# Altium PCB Slave.PcbDoc (part 2 of 10)
Units mm, origin at the board's own origin, x right, y up, seen from the top; angles counter-clockwise.
Board outline 380 x 63 mm, 4 copper layers (Top Copper, Signal Layer 1, Signal Layer 2, Bottom Copper), stack 1.586 mm thick; 259 components, 195 nets, 816 pads, 23336 vias.
Unrouted connection lines stored in the file: 47.
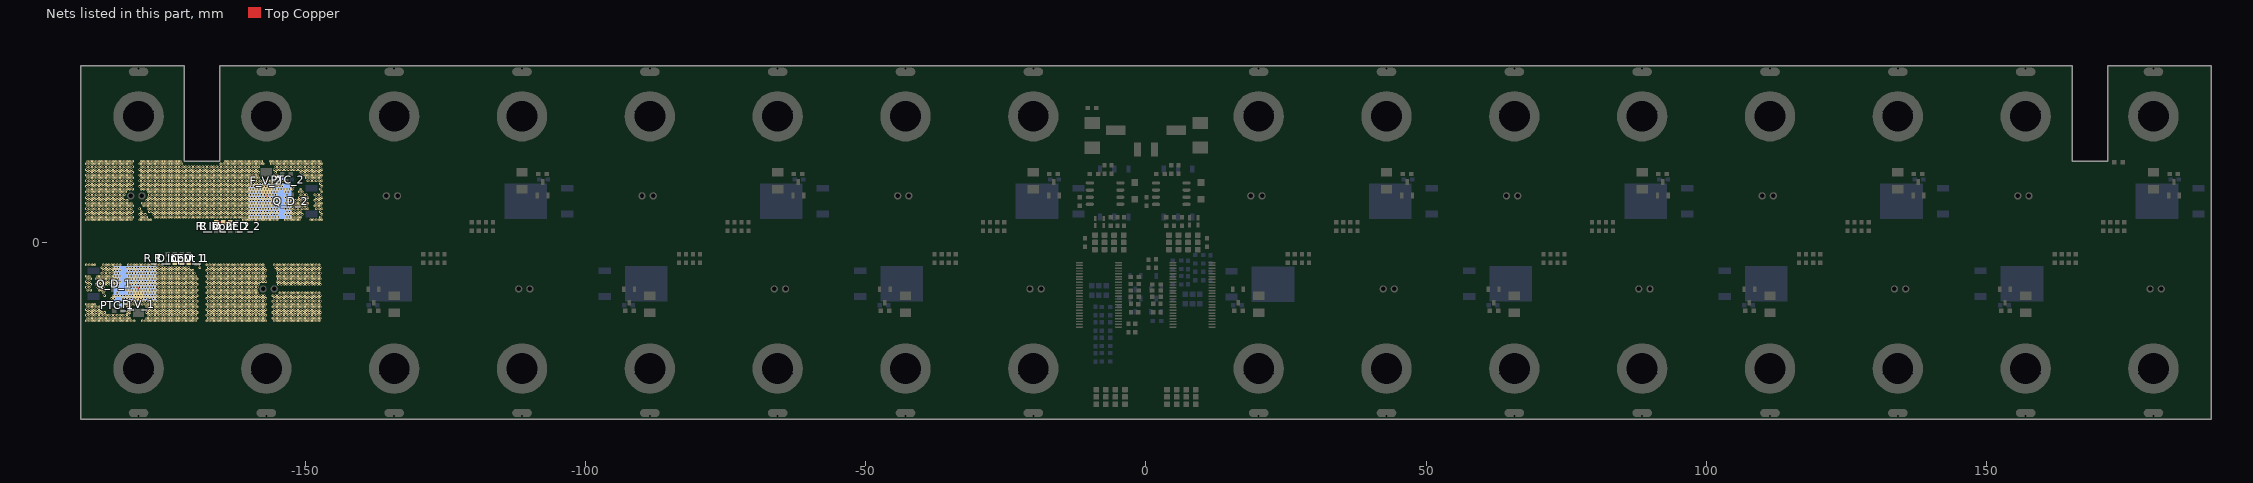
[diagram p4: the nets of this part, all layers, seen from the top]

## Via types
v1: diameter 0.45, hole 0.2, Top Copper to Bottom Copper, tented both sides, 23076 vias
v2: diameter 0.45, hole 0.2, Top Copper to Bottom Copper, 250 vias
v3: diameter 1.2, hole 0.8, Top Copper to Bottom Copper, 10 vias

## Nets (pads, with @x,y where several pads share a name; then routed paths per layer and width w, separated by ;. In a path a pad name is that pad's centre, name@x,y a point inside that pad or via, vN(x,y) a via of type N, cw(c..) or ccw(c..) an arc to the next point about the centre after c; other vN are vias at no path point) (continued)
F_1: C_V_1.2 F_V_1.2 PTC_1.2 Q_D_1.2 R_D_LED_1.2 R_Input_1.1 | length 3.9
  Top Copper w0.254: R_D_LED_1.2@-173.25,-3.6 R_Input_1.1@-172,-3.6 C_V_1.2@-170.75,-3.6
  Top Copper w0.305: -179.725,-8.1 -179.725,-9.48 F_V_1.2@-179.7,-9.505
  other v1: -189,-14 -188.5,-14 -188,-14 -187.5,-14 -187,-14 -186.5,-14 -186,-14 -185.5,-14 -185,-14 -184.5,-14 -184,-14 -183.5,-14 -183,-14 -182.5,-14 -182,-14 -181.5,-14 -181,-14 -180.5,-14 -179,-14 -178.5,-14 -178,-14 -177.5,-14 -177,-14 -176.5,-14 -176,-14 -175.5,-14 -175,-14 -174.5,-14 -174,-14 -173.5,-14 -173,-14 -172.5,-14 -172,-14 -171.5,-14 -171,-14 -170.5,-14 -170,-14 -169.5,-14 -167.5,-14 -167,-14 -166.5,-14 -166,-14 -165.5,-14 -165,-14 -164.5,-14 -164,-14 -163.5,-14 -163,-14 -162.5,-14 -162,-14 -161.5,-14 -161,-14 -160.5,-14 -160,-14 -159.5,-14 -159,-14 -158.5,-14 -158,-14 -157.5,-14 -157,-14 -155.5,-14 -155,-14 -154.5,-14 -154,-14 -153.5,-14 -153,-14 -152.5,-14 -152,-14 -151.5,-14 -151,-14 -150.5,-14 -150,-14 -149.5,-14 -149,-14 -148.5,-14 -148,-14 -147.5,-14 -188.75,-13.5 -188.25,-13.5 -187.75,-13.5 -187.25,-13.5 -186.75,-13.5 -186.25,-13.5 -185.75,-13.5 -185.25,-13.5 -184.75,-13.5 -184.25,-13.5 -183.75,-13.5 -183.25,-13.5 -182.75,-13.5 -182.25,-13.5 -181.75,-13.5 -181.25,-13.5 -178.25,-13.5 -177.75,-13.5 -177.25,-13.5 -176.75,-13.5 -176.25,-13.5 -175.75,-13.5 -175.25,-13.5 -174.75,-13.5 -174.25,-13.5 -173.75,-13.5 -173.25,-13.5 -172.75,-13.5 -172.25,-13.5 -171.75,-13.5 -171.25,-13.5 -170.75,-13.5 -170.25,-13.5 -169.75,-13.5 -169.25,-13.5 -167.25,-13.5 -166.75,-13.5 -166.25,-13.5 -165.75,-13.5 -165.25,-13.5 -164.75,-13.5 -164.25,-13.5 -163.75,-13.5 -163.25,-13.5 -162.75,-13.5 -162.25,-13.5 -161.75,-13.5 -161.25,-13.5 -160.75,-13.5 -160.25,-13.5 -159.75,-13.5 -159.25,-13.5 -158.75,-13.5 -158.25,-13.5 -157.75,-13.5 -157.25,-13.5 -155.75,-13.5 -155.25,-13.5 -154.75,-13.5 -154.25,-13.5 -153.75,-13.5 -153.25,-13.5 -152.75,-13.5 -152.25,-13.5 -151.75,-13.5 -151.25,-13.5 -150.75,-13.5 -150.25,-13.5 -149.75,-13.5 -149.25,-13.5 -148.75,-13.5 -148.25,-13.5 -147.75,-13.5 -147.25,-13.5 -189,-13 -188.5,-13 -188,-13 -187.5,-13 -187,-13 -186.5,-13 -186,-13 -185.5,-13 -185,-13 -184.5,-13 -184,-13 -183.5,-13 -183,-13 -182.5,-13 -182,-13 -181.5,-13 -178,-13 -177.5,-13 -177,-13 -176.5,-13 -176,-13 -175.5,-13 -175,-13 -174.5,-13 -174,-13 -173.5,-13 -173,-13 -172.5,-13 -172,-13 -171.5,-13 -171,-13 -170.5,-13 -170,-13 -169.5,-13 -167.5,-13 -167,-13 -166.5,-13 -166,-13 -165.5,-13 -165,-13 -164.5,-13 -164,-13 -163.5,-13 -163,-13 -162.5,-13 -162,-13 -161.5,-13 -161,-13 -160.5,-13 -160,-13 -159.5,-13 -159,-13 -158.5,-13 -158,-13 -157.5,-13 -157,-13 -155.5,-13 -155,-13 -154.5,-13 -154,-13 -153.5,-13 -153,-13 -152.5,-13 -152,-13 -151.5,-13 -151,-13 -150.5,-13 -150,-13 -149.5,-13 -149,-13 -148.5,-13 -148,-13 -147.5,-13 -188.75,-12.5 -188.25,-12.5 -187.75,-12.5 -187.25,-12.5 -186.75,-12.5 -186.25,-12.5 -185.75,-12.5 -181.75,-12.5 -181.25,-12.5 -178.25,-12.5 -177.75,-12.5 -177.25,-12.5 -176.75,-12.5 -176.25,-12.5 -175.75,-12.5 -175.25,-12.5 -174.75,-12.5 -174.25,-12.5 -173.75,-12.5 -173.25,-12.5 -172.75,-12.5 -172.25,-12.5 -171.75,-12.5 -171.25,-12.5 -170.75,-12.5 -170.25,-12.5 -169.75,-12.5 -169.25,-12.5 -167.25,-12.5 -166.75,-12.5 -166.25,-12.5 -165.75,-12.5 -165.25,-12.5 -164.75,-12.5 -164.25,-12.5 -163.75,-12.5 -163.25,-12.5 -162.75,-12.5 -162.25,-12.5 -161.75,-12.5 -161.25,-12.5 -160.75,-12.5 -160.25,-12.5 -159.75,-12.5 -159.25,-12.5 -158.75,-12.5 -158.25,-12.5 -157.75,-12.5 -157.25,-12.5 -155.75,-12.5 -155.25,-12.5 -154.75,-12.5 -154.25,-12.5 -153.75,-12.5 -153.25,-12.5 -152.75,-12.5 -152.25,-12.5 -151.75,-12.5 -151.25,-12.5 -150.75,-12.5 -150.25,-12.5 -149.75,-12.5 -149.25,-12.5 -148.75,-12.5 -148.25,-12.5 -147.75,-12.5 -147.25,-12.5 -189,-12 -188.5,-12 -188,-12 -187.5,-12 -187,-12 -186.5,-12 -181.5,-12 -178,-12 -177.5,-12 -177,-12 -176.5,-12 -176,-12 -175.5,-12 -175,-12 -174.5,-12 -174,-12 -173.5,-12 -173,-12 -172.5,-12 -172,-12 -171.5,-12 -171,-12 -170.5,-12 -170,-12 -169.5,-12 -167.5,-12 -167,-12 -166.5,-12 -166,-12 -165.5,-12 -165,-12 -164.5,-12 -164,-12 -163.5,-12 -163,-12 -162.5,-12 -162,-12 -161.5,-12 -161,-12 -160.5,-12 -160,-12 -159.5,-12 -159,-12 -158.5,-12 -158,-12 -157.5,-12 -157,-12 -155.5,-12 -155,-12 -154.5,-12 -154,-12 -153.5,-12 -153,-12 -152.5,-12 -152,-12 -151.5,-12 -151,-12 -150.5,-12 -150,-12 -149.5,-12 -149,-12 -148.5,-12 -148,-12 -147.5,-12 -188.75,-11.5 -188.25,-11.5 -187.75,-11.5 -187.25,-11.5 -186.75,-11.5 -181.75,-11.5 -181.25,-11.5 -178.25,-11.5 -177.75,-11.5 -177.25,-11.5 -176.75,-11.5 -176.25,-11.5 -175.75,-11.5 -175.25,-11.5 -174.75,-11.5 -174.25,-11.5 -173.75,-11.5 -173.25,-11.5 -172.75,-11.5 -172.25,-11.5 -171.75,-11.5 -171.25,-11.5 -170.75,-11.5 -170.25,-11.5 -169.75,-11.5 -169.25,-11.5 -167.25,-11.5 -166.75,-11.5 -166.25,-11.5 -165.75,-11.5 -165.25,-11.5 -164.75,-11.5 -164.25,-11.5 -163.75,-11.5 -163.25,-11.5 -162.75,-11.5 -162.25,-11.5 -161.75,-11.5 -161.25,-11.5 -160.75,-11.5 -160.25,-11.5 -159.75,-11.5 -159.25,-11.5 -158.75,-11.5 -158.25,-11.5 -157.75,-11.5 -157.25,-11.5 -155.75,-11.5 -155.25,-11.5 -154.75,-11.5 -154.25,-11.5 -153.75,-11.5 -153.25,-11.5 -152.75,-11.5 -152.25,-11.5 -151.75,-11.5 -151.25,-11.5 -150.75,-11.5 -150.25,-11.5 -149.75,-11.5 -149.25,-11.5 -148.75,-11.5 -148.25,-11.5 -147.75,-11.5 -147.25,-11.5 -189,-11 -188.5,-11 -188,-11 -187.5,-11 -182.5,-11 -182,-11 -181.5,-11 -181,-11 -180.5,-11 -180,-11 -179.5,-11 -179,-11 -178.5,-11 -178,-11 -177.5,-11 -177,-11 -176.5,-11 -176,-11 -175.5,-11 -175,-11 -174.5,-11 -174,-11 -173.5,-11 -173,-11 -172.5,-11 -172,-11 -171.5,-11 -171,-11 -170.5,-11 -170,-11 -169.5,-11 -167.5,-11 -167,-11 -166.5,-11 -166,-11 -165.5,-11 -165,-11 -164.5,-11 -164,-11 -163.5,-11 -163,-11 -162.5,-11 -162,-11 -161.5,-11 -161,-11 -160.5,-11 -160,-11 -159.5,-11 -159,-11 -158.5,-11 -158,-11 -157.5,-11 -157,-11 -155.5,-11 -155,-11 -154.5,-11 -154,-11 -153.5,-11 -153,-11 -152.5,-11 -152,-11 -151.5,-11 -151,-11 -150.5,-11 -150,-11 -149.5,-11 -149,-11 -148.5,-11 -148,-11 -147.5,-11 -182.25,-10.5 -181.75,-10.5 -181.25,-10.5 -180.75,-10.5 -180.25,-10.5 -179.75,-10.5 -179.25,-10.5 -178.75,-10.5 -178.25,-10.5 -177.75,-10.5 -177.25,-10.5 -176.75,-10.5 -176.25,-10.5 -175.75,-10.5 -175.25,-10.5 -174.75,-10.5 -174.25,-10.5 -173.75,-10.5 -173.25,-10.5 -172.75,-10.5 -172.25,-10.5 -171.75,-10.5 -171.25,-10.5 -170.75,-10.5 -170.25,-10.5 -169.75,-10.5 -169.25,-10.5 -167.25,-10.5 -166.75,-10.5 -166.25,-10.5 -165.75,-10.5 -165.25,-10.5 -164.75,-10.5 -164.25,-10.5 -163.75,-10.5 -163.25,-10.5 -162.75,-10.5 -162.25,-10.5 -161.75,-10.5 -161.25,-10.5 -160.75,-10.5 -160.25,-10.5 -159.75,-10.5 -159.25,-10.5 -158.75,-10.5 -158.25,-10.5 -157.75,-10.5 -157.25,-10.5 -155.75,-10.5 -155.25,-10.5 -154.75,-10.5 -154.25,-10.5 -153.75,-10.5 -153.25,-10.5 -152.75,-10.5 -152.25,-10.5 -151.75,-10.5 -151.25,-10.5 -150.75,-10.5 -150.25,-10.5 -149.75,-10.5 -149.25,-10.5 -148.75,-10.5 -148.25,-10.5 -147.75,-10.5 -147.25,-10.5 -184.5,-10 -184,-10 -182.5,-10 -182,-10 -181.5,-10 -181,-10 -180.5,-10 -180,-10 -179.5,-10 -179,-10 -178.5,-10 -178,-10 -177.5,-10 -177,-10 -176.5,-10 -176,-10 -175.5,-10 -175,-10 -174.5,-10 -174,-10 -173.5,-10 -173,-10 -172.5,-10 -172,-10 -171.5,-10 -171,-10 -170.5,-10 -170,-10 -169.5,-10 -167.5,-10 -167,-10 -166.5,-10 -166,-10 -165.5,-10 -165,-10 -164.5,-10 -164,-10 -163.5,-10 -163,-10 -162.5,-10 -162,-10 -161.5,-10 -161,-10 -160.5,-10 -160,-10 -159.5,-10 -159,-10 -158.5,-10 -158,-10 -157.5,-10 -157,-10 -155.5,-10 -155,-10 -154.5,-10 -154,-10 -153.5,-10 -153,-10 -152.5,-10 -152,-10 -151.5,-10 -151,-10 -150.5,-10 -150,-10 -149.5,-10 -149,-10 -148.5,-10 -148,-10 -147.5,-10 -185.75,-9.5 -184.25,-9.5 -183.75,-9.5 -183.25,-9.5 -182.75,-9.5 -182.25,-9.5 -181.75,-9.5 -181.25,-9.5 -180.75,-9.5 -180.25,-9.5 -179.75,-9.5 -179.25,-9.5 -178.75,-9.5 -178.25,-9.5 -177.75,-9.5 -177.25,-9.5 -176.75,-9.5 -176.25,-9.5 -175.75,-9.5 -175.25,-9.5 -174.75,-9.5 -174.25,-9.5 -173.75,-9.5 -173.25,-9.5 -172.75,-9.5 -172.25,-9.5 -171.75,-9.5 -171.25,-9.5 -170.75,-9.5 -170.25,-9.5 -169.75,-9.5 -169.25,-9.5 -167.25,-9.5 -166.75,-9.5 -166.25,-9.5 -165.75,-9.5 -165.25,-9.5 -164.75,-9.5 -164.25,-9.5 -163.75,-9.5 -163.25,-9.5 -162.75,-9.5 -162.25,-9.5 -161.75,-9.5 -161.25,-9.5 -160.75,-9.5 -160.25,-9.5 -159.75,-9.5 -159.25,-9.5 -158.75,-9.5 -158.25,-9.5 -157.75,-9.5 -157.25,-9.5 -155.75,-9.5 -155.25,-9.5 -154.75,-9.5 -154.25,-9.5 -153.75,-9.5 -153.25,-9.5 -152.75,-9.5 -152.25,-9.5 -151.75,-9.5 -151.25,-9.5 -150.75,-9.5 -150.25,-9.5 -149.75,-9.5 -149.25,-9.5 -148.75,-9.5 -148.25,-9.5 -147.75,-9.5 -147.25,-9.5 -186,-9 -183.5,-9 -181.5,-9 -181,-9 -180.5,-9 -180,-9 -179.5,-9 -179,-9 -178.5,-9 -178,-9 -177.5,-9 -177,-9 -176.5,-9 -176,-9 -175.5,-9 -175,-9 -174.5,-9 -174,-9 -173.5,-9 -173,-9 -172.5,-9 -172,-9 -171.5,-9 -171,-9 -170.5,-9 -170,-9 -169.5,-9 -167.5,-9 -167,-9 -166.5,-9 -166,-9 -165.5,-9 -165,-9 -164.5,-9 -164,-9 -163.5,-9 -163,-9 -162.5,-9 -162,-9 -161.5,-9 -161,-9 -160.5,-9 -160,-9 -159.5,-9 -159,-9 -158.5,-9 -154.5,-9 -154,-9 -153.5,-9 -153,-9 -152.5,-9 -152,-9 -151.5,-9 -151,-9 -150.5,-9 -150,-9 -149.5,-9 -149,-9 -148.5,-9 -148,-9 -147.5,-9 -188.75,-8.5 -188.25,-8.5 -186.75,-8.5 -186.25,-8.5 -185.75,-8.5 -183.25,-8.5 -181.75,-8.5 -181.25,-8.5 -180.75,-8.5 -180.25,-8.5 -179.75,-8.5 -179.25,-8.5 -178.75,-8.5 -178.25,-8.5 -177.75,-8.5 -177.25,-8.5 -176.75,-8.5 -176.25,-8.5 -175.75,-8.5 -175.25,-8.5 -174.75,-8.5 -174.25,-8.5 -173.75,-8.5 -173.25,-8.5 -172.75,-8.5 -172.25,-8.5 -171.75,-8.5 -171.25,-8.5 -170.75,-8.5 -170.25,-8.5 -169.75,-8.5 -169.25,-8.5 -167.25,-8.5 -166.75,-8.5 -166.25,-8.5 -165.75,-8.5 -165.25,-8.5 -164.75,-8.5 -164.25,-8.5 -163.75,-8.5 -163.25,-8.5 -162.75,-8.5 -162.25,-8.5 -161.75,-8.5 -161.25,-8.5 -160.75,-8.5 -160.25,-8.5 -159.75,-8.5 -159.25,-8.5 -158.75,-8.5 -189,-8 -188.5,-8 -187,-8 -186.5,-8 -186,-8 -183.5,-8 -181.5,-8 -181,-8 -180.5,-8 -180,-8 -179.5,-8 -179,-8 -178.5,-8 -178,-8 -177.5,-8 -177,-8 -176.5,-8 -176,-8 -175.5,-8 -175,-8 -174.5,-8 -174,-8 -173.5,-8 -173,-8 -172.5,-8 -172,-8 -171.5,-8 -171,-8 -170.5,-8 -170,-8 -169.5,-8 -167.5,-8 -167,-8 -166.5,-8 -166,-8 -165.5,-8 -165,-8 -164.5,-8 -164,-8 -163.5,-8 -163,-8 -162.5,-8 -162,-8 -161.5,-8 -161,-8 -160.5,-8 -160,-8 -159.5,-8 -159,-8 -158.5,-8 -188.75,-7.5 -188.25,-7.5 -187.25,-7.5 -186.75,-7.5 -186.25,-7.5 -185.75,-7.5 -185.25,-7.5 -184.75,-7.5 -184.25,-7.5 -183.75,-7.5 -183.25,-7.5 -181.75,-7.5 -181.25,-7.5 -180.75,-7.5 -180.25,-7.5 -179.75,-7.5 -179.25,-7.5 -178.75,-7.5 -178.25,-7.5 -177.75,-7.5 -177.25,-7.5 -176.75,-7.5 -176.25,-7.5 -175.75,-7.5 -175.25,-7.5 -174.75,-7.5 -174.25,-7.5 -173.75,-7.5 -173.25,-7.5 -172.75,-7.5 -172.25,-7.5 -171.75,-7.5 -171.25,-7.5 -170.75,-7.5 -170.25,-7.5 -169.75,-7.5 -169.25,-7.5 -167.25,-7.5 -166.75,-7.5 -166.25,-7.5 -165.75,-7.5 -165.25,-7.5 -164.75,-7.5 -164.25,-7.5 -163.75,-7.5 -163.25,-7.5 -162.75,-7.5 -162.25,-7.5 -161.75,-7.5 -161.25,-7.5 -160.75,-7.5 -160.25,-7.5 -159.75,-7.5 -159.25,-7.5 -158.75,-7.5 -158.25,-7.5 -154.75,-7.5 -154.25,-7.5 -153.75,-7.5 -153.25,-7.5 -152.75,-7.5 -152.25,-7.5 -151.75,-7.5 -151.25,-7.5 -150.75,-7.5 -150.25,-7.5 -149.75,-7.5 -149.25,-7.5 -148.75,-7.5 -148.25,-7.5 -147.75,-7.5 -147.25,-7.5 -189,-7 -188.5,-7 -187,-7 -186.5,-7 -186,-7 -185.5,-7 -185,-7 -184.5,-7 -184,-7 -183.5,-7 -183,-7 -181.5,-7 -181,-7 -180.5,-7 -180,-7 -179.5,-7 -179,-7 -178.5,-7 -178,-7 -177.5,-7 -177,-7 -176.5,-7 -176,-7 -175.5,-7 -175,-7 -174.5,-7 -174,-7 -173.5,-7 -173,-7 -172.5,-7 -172,-7 -171.5,-7 -171,-7 -170.5,-7 -170,-7 -169.5,-7 -167.5,-7 -167,-7 -166.5,-7 -166,-7 -165.5,-7 -165,-7 -164.5,-7 -164,-7 -163.5,-7 -163,-7 -162.5,-7 -162,-7 -161.5,-7 -161,-7 -160.5,-7 -160,-7 -159.5,-7 -159,-7 -158.5,-7 -158,-7 -157.5,-7 -157,-7 -155,-7 -154.5,-7 -154,-7 -153.5,-7 -153,-7 -152.5,-7 -152,-7 -151.5,-7 -151,-7 -150.5,-7 -150,-7 -149.5,-7 -149,-7 -148.5,-7 -148,-7 -147.5,-7 -188.75,-6.5 -188.25,-6.5 -187.25,-6.5 -186.75,-6.5 -186.25,-6.5 -185.75,-6.5 -185.25,-6.5 -184.75,-6.5 -184.25,-6.5 -183.75,-6.5 -183.25,-6.5 -181.75,-6.5 -181.25,-6.5 -180.75,-6.5 -180.25,-6.5 -179.75,-6.5 -179.25,-6.5 -178.75,-6.5 -178.25,-6.5 -177.75,-6.5 -177.25,-6.5 -176.75,-6.5 -176.25,-6.5 -175.75,-6.5 -175.25,-6.5 -174.75,-6.5 -174.25,-6.5 -173.75,-6.5 -173.25,-6.5 -172.75,-6.5 -172.25,-6.5 -171.75,-6.5 -171.25,-6.5 -170.75,-6.5 -170.25,-6.5 -169.75,-6.5 -169.25,-6.5 -167.25,-6.5 -166.75,-6.5 -166.25,-6.5 -165.75,-6.5 -165.25,-6.5 -164.75,-6.5 -164.25,-6.5 -163.75,-6.5 -163.25,-6.5 -162.75,-6.5 -162.25,-6.5 -161.75,-6.5 -161.25,-6.5 -160.75,-6.5 -160.25,-6.5 -159.75,-6.5 -159.25,-6.5 -158.75,-6.5 -158.25,-6.5 -157.75,-6.5 -157.25,-6.5 -154.75,-6.5 -154.25,-6.5 -153.75,-6.5 -153.25,-6.5 -152.75,-6.5 -152.25,-6.5 -151.75,-6.5 -151.25,-6.5 -150.75,-6.5 -150.25,-6.5 -149.75,-6.5 -149.25,-6.5 -148.75,-6.5 -148.25,-6.5 -147.75,-6.5 -147.25,-6.5 -189,-6 -188.5,-6 -187,-6 -186.5,-6 -186,-6 -185.5,-6 -185,-6 -184.5,-6 -184,-6 -183.5,-6 -183,-6 -181.5,-6 -181,-6 -180.5,-6 -180,-6 -179.5,-6 -179,-6 -178.5,-6 -178,-6 -177.5,-6 -177,-6 -176.5,-6 -176,-6 -175.5,-6 -175,-6 -174.5,-6 -174,-6 -173.5,-6 -173,-6 -172.5,-6 -172,-6 -171.5,-6 -171,-6 -170.5,-6 -170,-6 -169.5,-6 -167.5,-6 -167,-6 -166.5,-6 -166,-6 -165.5,-6 -165,-6 -164.5,-6 -164,-6 -163.5,-6 -163,-6 -162.5,-6 -162,-6 -161.5,-6 -161,-6 -160.5,-6 -160,-6 -159.5,-6 -159,-6 -158.5,-6 -158,-6 -157.5,-6 -157,-6 -155,-6 -154.5,-6 -154,-6 -153.5,-6 -153,-6 -152.5,-6 -152,-6 -151.5,-6 -151,-6 -150.5,-6 -150,-6 -149.5,-6 -149,-6 -148.5,-6 -148,-6 -147.5,-6 -186.25,-5.5 -185.75,-5.5 -185.25,-5.5 -184.75,-5.5 -184.25,-5.5 -183.75,-5.5 -183.25,-5.5 -181.75,-5.5 -181.25,-5.5 -180.75,-5.5 -180.25,-5.5 -179.75,-5.5 -179.25,-5.5 -178.75,-5.5 -178.25,-5.5 -177.75,-5.5 -177.25,-5.5 -176.75,-5.5 -176.25,-5.5 -175.75,-5.5 -175.25,-5.5 -174.75,-5.5 -174.25,-5.5 -173.75,-5.5 -173.25,-5.5 -172.75,-5.5 -172.25,-5.5 -171.75,-5.5 -171.25,-5.5 -170.75,-5.5 -170.25,-5.5 -169.75,-5.5 -167.25,-5.5 -166.75,-5.5 -166.25,-5.5 -165.75,-5.5 -165.25,-5.5 -164.75,-5.5 -164.25,-5.5 -163.75,-5.5 -163.25,-5.5 -162.75,-5.5 -162.25,-5.5 -161.75,-5.5 -161.25,-5.5 -160.75,-5.5 -160.25,-5.5 -159.75,-5.5 -159.25,-5.5 -158.75,-5.5 -158.25,-5.5 -157.75,-5.5 -157.25,-5.5 -154.75,-5.5 -154.25,-5.5 -153.75,-5.5 -153.25,-5.5 -152.75,-5.5 -152.25,-5.5 -151.75,-5.5 -151.25,-5.5 -150.75,-5.5 -150.25,-5.5 -149.75,-5.5 -149.25,-5.5 -148.75,-5.5 -148.25,-5.5 -147.75,-5.5 -147.25,-5.5 -186,-5 -185.5,-5 -185,-5 -184.5,-5 -184,-5 -183.5,-5 -183,-5 -181.5,-5 -181,-5 -180.5,-5 -180,-5 -179.5,-5 -179,-5 -178.5,-5 -178,-5 -177.5,-5 -177,-5 -176.5,-5 -176,-5 -175.5,-5 -175,-5 -174.5,-5 -174,-5 -173.5,-5 -173,-5 -172.5,-5 -172,-5 -171.5,-5 -171,-5 -170.5,-5 -170,-5 -167.5,-5 -167,-5 -166.5,-5 -166,-5 -165.5,-5 -165,-5 -164.5,-5 -164,-5 -163.5,-5 -163,-5 -162.5,-5 -162,-5 -161.5,-5 -161,-5 -160.5,-5 -160,-5 -159.5,-5 -159,-5 -158.5,-5 -158,-5 -157.5,-5 -157,-5 -155,-5 -154.5,-5 -154,-5 -153.5,-5 -153,-5 -152.5,-5 -152,-5 -151.5,-5 -151,-5 -150.5,-5 -150,-5 -149.5,-5 -149,-5 -148.5,-5 -148,-5 -147.5,-5 -186.25,-4.5 -185.75,-4.5 -185.25,-4.5 -184.75,-4.5 -184.25,-4.5 -183.75,-4.5 -183.25,-4.5 -181.75,-4.5 -181.25,-4.5 -180.75,-4.5 -180.25,-4.5 -179.75,-4.5 -179.25,-4.5 -178.75,-4.5 -178.25,-4.5 -177.75,-4.5 -177.25,-4.5 -176.75,-4.5 -176.25,-4.5 -175.75,-4.5 -175.25,-4.5 -174.75,-4.5 -174.25,-4.5 -173.75,-4.5 -173.25,-4.5 -172.75,-4.5 -172.25,-4.5 -171.75,-4.5 -171.25,-4.5 -170.75,-4.5 -168.75,-4.5 -167.25,-4.5 -166.75,-4.5 -166.25,-4.5 -165.75,-4.5 -165.25,-4.5 -164.75,-4.5 -164.25,-4.5 -163.75,-4.5 -163.25,-4.5 -162.75,-4.5 -162.25,-4.5 -161.75,-4.5 -161.25,-4.5 -160.75,-4.5 -160.25,-4.5 -159.75,-4.5 -159.25,-4.5 -158.75,-4.5 -158.25,-4.5 -157.75,-4.5 -157.25,-4.5 -155.25,-4.5 -154.75,-4.5 -154.25,-4.5 -153.75,-4.5 -153.25,-4.5 -152.75,-4.5 -152.25,-4.5 -151.75,-4.5 -151.25,-4.5 -150.75,-4.5 -150.25,-4.5 -149.75,-4.5 -149.25,-4.5 -148.75,-4.5 -148.25,-4.5 -147.75,-4.5 -147.25,-4.5 -189,-4 -188.5,-4 -188,-4 -187.5,-4 -186,-4 -185.5,-4 -185,-4 -184.5,-4 -184,-4 -183.5,-4 -183,-4 -181.5,-4 -181,-4 -180.5,-4 -180,-4 -179.5,-4 -179,-4 -178.5,-4 -178,-4 -177.5,-4 -177,-4 -176.5,-4 -176,-4 -175.5,-4 -169.5,-4 -169,-4 -167.5,-4 -167,-4 -166.5,-4 -166,-4 -165.5,-4 -165,-4 -164.5,-4 -164,-4 -163.5,-4 -163,-4 -162.5,-4 -162,-4 -161.5,-4 -161,-4 -160.5,-4 -160,-4 -159.5,-4 -159,-4 -158.5,-4 -158,-4 -157.5,-4 -155.5,-4 -155,-4 -154.5,-4 -154,-4 -153.5,-4 -153,-4 -152.5,-4 -152,-4 -151.5,-4 -151,-4 -150.5,-4 -150,-4 -149.5,-4 -149,-4 -148.5,-4 -148,-4 -147.5,-4
F_2: C_V_2.2 F_V_2.2 PTC_2.2 Q_D_2.2 R_D_LED_2.2 R_Input_2.1 | length 3.9
  Top Copper w0.254: C_V_2.2@-165.85,3.6 R_Input_2.1@-164.6,3.6 R_D_LED_2.2@-163.35,3.6
  Top Copper w0.305: v1@-156.875,8.1 F_V_2.2@-156.875,9.48
  other v1: -189,4 -188.5,4 -188,4 -187.5,4 -187,4 -186.5,4 -186,4 -185.5,4 -185,4 -184.5,4 -184,4 -183.5,4 -183,4 -182.5,4 -182,4 -181.5,4 -181,4 -179.5,4 -179,4 -178.5,4 -178,4 -177.5,4 -161,4 -160.5,4 -160,4 -159.5,4 -159,4 -158.5,4 -158,4 -157.5,4 -157,4 -156.5,4 -156,4 -155.5,4 -155,4 -153.5,4 -153,4 -152.5,4 -152,4 -151.5,4 -151,4 -149,4 -148.5,4 -148,4 -147.5,4 -147,4 -188.75,4.5 -188.25,4.5 -187.75,4.5 -187.25,4.5 -186.75,4.5 -186.25,4.5 -185.75,4.5 -185.25,4.5 -184.75,4.5 -184.25,4.5 -183.75,4.5 -183.25,4.5 -182.75,4.5 -182.25,4.5 -181.75,4.5 -181.25,4.5 -180.75,4.5 -179.25,4.5 -178.75,4.5 -178.25,4.5 -176.75,4.5 -176.25,4.5 -175.75,4.5 -175.25,4.5 -174.75,4.5 -174.25,4.5 -173.75,4.5 -173.25,4.5 -172.75,4.5 -172.25,4.5 -171.75,4.5 -171.25,4.5 -170.75,4.5 -170.25,4.5 -169.75,4.5 -169.25,4.5 -168.75,4.5 -168.25,4.5 -167.75,4.5 -167.25,4.5 -166.75,4.5 -166.25,4.5 -165.75,4.5 -165.25,4.5 -164.75,4.5 -164.25,4.5 -163.75,4.5 -163.25,4.5 -162.75,4.5 -162.25,4.5 -161.75,4.5 -161.25,4.5 -160.75,4.5 -160.25,4.5 -159.75,4.5 -159.25,4.5 -158.75,4.5 -158.25,4.5 -157.75,4.5 -157.25,4.5 -156.75,4.5 -156.25,4.5 -155.75,4.5 -155.25,4.5 -154.75,4.5 -153.25,4.5 -152.75,4.5 -152.25,4.5 -151.75,4.5 -151.25,4.5 -150.75,4.5 -147.25,4.5 -189,5 -188.5,5 -188,5 -187.5,5 -187,5 -186.5,5 -186,5 -185.5,5 -185,5 -184.5,5 -184,5 -183.5,5 -183,5 -182.5,5 -182,5 -181.5,5 -181,5 -179.5,5 -179,5 -178.5,5 -177,5 -176.5,5 -176,5 -175.5,5 -175,5 -174.5,5 -174,5 -173.5,5 -173,5 -172.5,5 -172,5 -171.5,5 -171,5 -170.5,5 -170,5 -169.5,5 -169,5 -168.5,5 -168,5 -167.5,5 -167,5 -166.5,5 -166,5 -165.5,5 -165,5 -164.5,5 -164,5 -163.5,5 -163,5 -162.5,5 -162,5 -161.5,5 -161,5 -160.5,5 -160,5 -159.5,5 -159,5 -158.5,5 -158,5 -157.5,5 -157,5 -156.5,5 -156,5 -155.5,5 -155,5 -153.5,5 -153,5 -152.5,5 -152,5 -151.5,5 -151,5 -150.5,5 -147,5 -188.75,5.5 -188.25,5.5 -187.75,5.5 -187.25,5.5 -186.75,5.5 -186.25,5.5 -185.75,5.5 -185.25,5.5 -184.75,5.5 -184.25,5.5 -183.75,5.5 -183.25,5.5 -182.75,5.5 -182.25,5.5 -181.75,5.5 -181.25,5.5 -180.75,5.5 -179.25,5.5 -177.75,5.5 -177.25,5.5 -176.75,5.5 -176.25,5.5 -175.75,5.5 -175.25,5.5 -174.75,5.5 -174.25,5.5 -173.75,5.5 -173.25,5.5 -172.75,5.5 -172.25,5.5 -171.75,5.5 -171.25,5.5 -170.75,5.5 -170.25,5.5 -169.75,5.5 -169.25,5.5 -168.75,5.5 -168.25,5.5 -167.75,5.5 -167.25,5.5 -166.75,5.5 -166.25,5.5 -165.75,5.5 -165.25,5.5 -164.75,5.5 -164.25,5.5 -163.75,5.5 -163.25,5.5 -162.75,5.5 -162.25,5.5 -161.75,5.5 -161.25,5.5 -160.75,5.5 -160.25,5.5 -159.75,5.5 -159.25,5.5 -158.75,5.5 -158.25,5.5 -157.75,5.5 -157.25,5.5 -156.75,5.5 -156.25,5.5 -155.75,5.5 -155.25,5.5 -154.75,5.5 -153.25,5.5 -152.75,5.5 -152.25,5.5 -151.75,5.5 -151.25,5.5 -150.75,5.5 -147.25,5.5 -189,6 -188.5,6 -188,6 -187.5,6 -187,6 -186.5,6 -186,6 -185.5,6 -185,6 -184.5,6 -184,6 -183.5,6 -183,6 -182.5,6 -182,6 -181.5,6 -181,6 -179.5,6 -178,6 -177.5,6 -177,6 -176.5,6 -176,6 -175.5,6 -175,6 -174.5,6 -174,6 -173.5,6 -173,6 -172.5,6 -172,6 -171.5,6 -171,6 -170.5,6 -170,6 -169.5,6 -169,6 -168.5,6 -168,6 -167.5,6 -167,6 -166.5,6 -166,6 -165.5,6 -165,6 -164.5,6 -164,6 -163.5,6 -163,6 -162.5,6 -162,6 -161.5,6 -161,6 -160.5,6 -160,6 -159.5,6 -159,6 -158.5,6 -158,6 -157.5,6 -157,6 -156.5,6 -156,6 -155.5,6 -155,6 -153.5,6 -153,6 -152.5,6 -152,6 -151.5,6 -151,6 -150.5,6 -150,6 -149.5,6 -148,6 -147.5,6 -147,6 -188.75,6.5 -188.25,6.5 -187.75,6.5 -187.25,6.5 -186.75,6.5 -186.25,6.5 -185.75,6.5 -185.25,6.5 -184.75,6.5 -184.25,6.5 -183.75,6.5 -183.25,6.5 -182.75,6.5 -182.25,6.5 -181.75,6.5 -181.25,6.5 -180.75,6.5 -178.75,6.5 -178.25,6.5 -177.75,6.5 -177.25,6.5 -176.75,6.5 -176.25,6.5 -175.75,6.5 -175.25,6.5 -174.75,6.5 -174.25,6.5 -173.75,6.5 -173.25,6.5 -172.75,6.5 -172.25,6.5 -171.75,6.5 -171.25,6.5 -170.75,6.5 -170.25,6.5 -169.75,6.5 -169.25,6.5 -168.75,6.5 -168.25,6.5 -167.75,6.5 -167.25,6.5 -166.75,6.5 -166.25,6.5 -165.75,6.5 -165.25,6.5 -164.75,6.5 -164.25,6.5 -163.75,6.5 -163.25,6.5 -162.75,6.5 -162.25,6.5 -161.75,6.5 -161.25,6.5 -160.75,6.5 -160.25,6.5 -159.75,6.5 -159.25,6.5 -158.75,6.5 -158.25,6.5 -157.75,6.5 -157.25,6.5 -156.75,6.5 -156.25,6.5 -155.75,6.5 -155.25,6.5 -154.75,6.5 -153.25,6.5 -152.75,6.5 -152.25,6.5 -151.75,6.5 -151.25,6.5 -150.75,6.5 -150.25,6.5 -149.75,6.5 -148.25,6.5 -147.75,6.5 -147.25,6.5 -189,7 -188.5,7 -188,7 -187.5,7 -187,7 -186.5,7 -186,7 -185.5,7 -185,7 -184.5,7 -184,7 -183.5,7 -183,7 -182.5,7 -182,7 -181.5,7 -181,7 -179,7 -178.5,7 -178,7 -177.5,7 -177,7 -176.5,7 -176,7 -175.5,7 -175,7 -174.5,7 -174,7 -173.5,7 -173,7 -172.5,7 -172,7 -171.5,7 -171,7 -170.5,7 -170,7 -169.5,7 -169,7 -168.5,7 -168,7 -167.5,7 -167,7 -166.5,7 -166,7 -165.5,7 -165,7 -164.5,7 -164,7 -163.5,7 -163,7 -162.5,7 -162,7 -161.5,7 -161,7 -160.5,7 -160,7 -159.5,7 -159,7 -158.5,7 -158,7 -157.5,7 -157,7 -156.5,7 -156,7 -155.5,7 -155,7 -153.5,7 -153,7 -152.5,7 -152,7 -151.5,7 -151,7 -150.5,7 -150,7 -149.5,7 -148,7 -147.5,7 -147,7 -188.75,7.5 -188.25,7.5 -187.75,7.5 -187.25,7.5 -186.75,7.5 -186.25,7.5 -185.75,7.5 -185.25,7.5 -184.75,7.5 -184.25,7.5 -183.75,7.5 -183.25,7.5 -182.75,7.5 -182.25,7.5 -181.75,7.5 -178.25,7.5 -177.75,7.5 -177.25,7.5 -176.75,7.5 -176.25,7.5 -175.75,7.5 -175.25,7.5 -174.75,7.5 -174.25,7.5 -173.75,7.5 -173.25,7.5 -172.75,7.5 -172.25,7.5 -171.75,7.5 -171.25,7.5 -170.75,7.5 -170.25,7.5 -169.75,7.5 -169.25,7.5 -168.75,7.5 -168.25,7.5 -167.75,7.5 -167.25,7.5 -166.75,7.5 -166.25,7.5 -165.75,7.5 -165.25,7.5 -164.75,7.5 -164.25,7.5 -163.75,7.5 -163.25,7.5 -162.75,7.5 -162.25,7.5 -161.75,7.5 -161.25,7.5 -160.75,7.5 -160.25,7.5 -159.75,7.5 -159.25,7.5 -158.75,7.5 -158.25,7.5 -157.75,7.5 -157.25,7.5 -156.75,7.5 -156.25,7.5 -155.75,7.5 -155.25,7.5 -154.75,7.5 -153.25,7.5 -152.75,7.5 -152.25,7.5 -151.75,7.5 -151.25,7.5 -150.75,7.5 -150.25,7.5 -149.75,7.5 -148.25,7.5 -147.75,7.5 -147.25,7.5 -189,8 -188.5,8 -188,8 -187.5,8 -187,8 -186.5,8 -186,8 -185.5,8 -185,8 -184.5,8 -184,8 -183.5,8 -183,8 -182.5,8 -178,8 -177.5,8 -177,8 -176.5,8 -176,8 -175.5,8 -175,8 -174.5,8 -174,8 -173.5,8 -173,8 -172.5,8 -172,8 -171.5,8 -171,8 -170.5,8 -170,8 -169.5,8 -169,8 -168.5,8 -168,8 -167.5,8 -167,8 -166.5,8 -166,8 -165.5,8 -165,8 -164.5,8 -164,8 -163.5,8 -163,8 -162.5,8 -162,8 -161.5,8 -161,8 -160.5,8 -160,8 -159.5,8 -159,8 -158.5,8 -158,8 -157.5,8 -157,8 -156.5,8 -156,8 -155.5,8 -155,8 -153.5,8 -153,8 -151,8 -150.5,8 -150,8 -149.5,8 -148,8 -147.5,8 -147,8 -188.75,8.5 -188.25,8.5 -187.75,8.5 -187.25,8.5 -186.75,8.5 -186.25,8.5 -185.75,8.5 -185.25,8.5 -184.75,8.5 -184.25,8.5 -183.75,8.5 -183.25,8.5 -182.75,8.5 -182.25,8.5 -177.75,8.5 -177.25,8.5 -176.75,8.5 -176.25,8.5 -175.75,8.5 -175.25,8.5 -174.75,8.5 -174.25,8.5 -173.75,8.5 -173.25,8.5 -172.75,8.5 -172.25,8.5 -171.75,8.5 -171.25,8.5 -170.75,8.5 -170.25,8.5 -169.75,8.5 -169.25,8.5 -168.75,8.5 -168.25,8.5 -167.75,8.5 -167.25,8.5 -166.75,8.5 -166.25,8.5 -165.75,8.5 -165.25,8.5 -164.75,8.5 -164.25,8.5 -163.75,8.5 -163.25,8.5 -162.75,8.5 -162.25,8.5 -161.75,8.5 -161.25,8.5 -160.75,8.5 -160.25,8.5 -159.75,8.5 -159.25,8.5 -158.75,8.5 -158.25,8.5 -157.75,8.5 -157.25,8.5 -156.75,8.5 -156.25,8.5 -155.75,8.5 -155.25,8.5 -153.25,8.5 -150.75,8.5 -150.25,8.5 -149.75,8.5 -148.25,8.5 -147.75,8.5 -147.25,8.5 -189,9 -188.5,9 -188,9 -187.5,9 -187,9 -186.5,9 -186,9 -185.5,9 -185,9 -184.5,9 -184,9 -183.5,9 -183,9 -182.5,9 -182,9 -178,9 -177.5,9 -177,9 -176.5,9 -176,9 -175.5,9 -175,9 -174.5,9 -174,9 -173.5,9 -173,9 -172.5,9 -172,9 -171.5,9 -171,9 -170.5,9 -170,9 -169.5,9 -169,9 -168.5,9 -168,9 -167.5,9 -167,9 -166.5,9 -166,9 -165.5,9 -165,9 -164.5,9 -164,9 -163.5,9 -163,9 -162.5,9 -162,9 -161.5,9 -161,9 -160.5,9 -160,9 -159.5,9 -159,9 -158.5,9 -158,9 -157.5,9 -157,9 -156.5,9 -156,9 -155.5,9 -155,9 -153.5,9 -153,9 -151,9 -150.5,9 -147,9 -188.75,9.5 -188.25,9.5 -187.75,9.5 -187.25,9.5 -186.75,9.5 -186.25,9.5 -185.75,9.5 -185.25,9.5 -184.75,9.5 -184.25,9.5 -183.75,9.5 -183.25,9.5 -182.75,9.5 -182.25,9.5 -181.75,9.5 -181.25,9.5 -180.75,9.5 -179.25,9.5 -178.75,9.5 -178.25,9.5 -177.75,9.5 -177.25,9.5 -176.75,9.5 -176.25,9.5 -175.75,9.5 -175.25,9.5 -174.75,9.5 -174.25,9.5 -173.75,9.5 -173.25,9.5 -172.75,9.5 -172.25,9.5 -171.75,9.5 -171.25,9.5 -170.75,9.5 -170.25,9.5 -169.75,9.5 -169.25,9.5 -168.75,9.5 -168.25,9.5 -167.75,9.5 -167.25,9.5 -166.75,9.5 -166.25,9.5 -165.75,9.5 -165.25,9.5 -164.75,9.5 -164.25,9.5 -163.75,9.5 -163.25,9.5 -162.75,9.5 -162.25,9.5 -161.75,9.5 -161.25,9.5 -160.75,9.5 -160.25,9.5 -159.75,9.5 -159.25,9.5 -158.75,9.5 -158.25,9.5 -157.75,9.5 -157.25,9.5 -156.75,9.5 -156.25,9.5 -155.75,9.5 -155.25,9.5 -154.75,9.5 -154.25,9.5 -153.75,9.5 -153.25,9.5 -152.75,9.5 -152.25,9.5 -150.75,9.5 -147.25,9.5 -189,10 -188.5,10 -188,10 -187.5,10 -187,10 -186.5,10 -186,10 -185.5,10 -185,10 -184.5,10 -184,10 -183.5,10 -183,10 -182.5,10 -182,10 -181.5,10 -181,10 -179.5,10 -179,10 -178.5,10 -178,10 -177.5,10 -177,10 -176.5,10 -176,10 -175.5,10 -175,10 -174.5,10 -174,10 -173.5,10 -173,10 -172.5,10 -172,10 -171.5,10 -171,10 -170.5,10 -170,10 -169.5,10 -169,10 -168.5,10 -168,10 -167.5,10 -167,10 -166.5,10 -166,10 -165.5,10 -165,10 -164.5,10 -164,10 -163.5,10 -163,10 -162.5,10 -162,10 -161.5,10 -161,10 -160.5,10 -160,10 -159.5,10 -159,10 -158.5,10 -158,10 -157.5,10 -157,10 -156.5,10 -156,10 -155.5,10 -155,10 -154.5,10 -154,10 -152.5,10 -152,10 -147,10 -188.75,10.5 -188.25,10.5 -187.75,10.5 -187.25,10.5 -186.75,10.5 -186.25,10.5 -185.75,10.5 -185.25,10.5 -184.75,10.5 -184.25,10.5 -183.75,10.5 -183.25,10.5 -182.75,10.5 -182.25,10.5 -181.75,10.5 -181.25,10.5 -180.75,10.5 -179.25,10.5 -178.75,10.5 -178.25,10.5 -177.75,10.5 -177.25,10.5 -176.75,10.5 -176.25,10.5 -175.75,10.5 -175.25,10.5 -174.75,10.5 -174.25,10.5 -173.75,10.5 -173.25,10.5 -172.75,10.5 -172.25,10.5 -171.75,10.5 -171.25,10.5 -170.75,10.5 -170.25,10.5 -169.75,10.5 -169.25,10.5 -168.75,10.5 -168.25,10.5 -167.75,10.5 -167.25,10.5 -166.75,10.5 -166.25,10.5 -165.75,10.5 -165.25,10.5 -164.75,10.5 -164.25,10.5 -163.75,10.5 -163.25,10.5 -162.75,10.5 -162.25,10.5 -161.75,10.5 -161.25,10.5 -160.75,10.5 -160.25,10.5 -159.75,10.5 -159.25,10.5 -158.75,10.5 -158.25,10.5 -157.75,10.5 -157.25,10.5 -156.75,10.5 -156.25,10.5 -155.75,10.5 -155.25,10.5 -154.75,10.5 -154.25,10.5 -147.25,10.5 -189,11 -188.5,11 -188,11 -187.5,11 -187,11 -186.5,11 -186,11 -185.5,11 -185,11 -184.5,11 -184,11 -183.5,11 -183,11 -182.5,11 -182,11 -181.5,11 -181,11 -179.5,11 -179,11 -178.5,11 -178,11 -177.5,11 -177,11 -176.5,11 -176,11 -175.5,11 -175,11 -174.5,11 -174,11 -173.5,11 -173,11 -172.5,11 -172,11 -171.5,11 -171,11 -170.5,11 -170,11 -169.5,11 -169,11 -168.5,11 -168,11 -167.5,11 -167,11 -166.5,11 -166,11 -165.5,11 -165,11 -164.5,11 -164,11 -163.5,11 -163,11 -162.5,11 -162,11 -161.5,11 -161,11 -160.5,11 -160,11 -159.5,11 -159,11 -158.5,11 -158,11 -157.5,11 -157,11 -156.5,11 -156,11 -155.5,11 -155,11 -154.5,11 -154,11 -149.5,11 -149,11 -148.5,11 -148,11 -147.5,11 -147,11 -188.75,11.5 -188.25,11.5 -187.75,11.5 -187.25,11.5 -186.75,11.5 -186.25,11.5 -185.75,11.5 -185.25,11.5 -184.75,11.5 -184.25,11.5 -183.75,11.5 -183.25,11.5 -182.75,11.5 -182.25,11.5 -181.75,11.5 -181.25,11.5 -180.75,11.5 -179.25,11.5 -178.75,11.5 -178.25,11.5 -177.75,11.5 -177.25,11.5 -176.75,11.5 -176.25,11.5 -175.75,11.5 -175.25,11.5 -174.75,11.5 -174.25,11.5 -173.75,11.5 -173.25,11.5 -172.75,11.5 -172.25,11.5 -171.75,11.5 -171.25,11.5 -170.75,11.5 -170.25,11.5 -169.75,11.5 -169.25,11.5 -168.75,11.5 -168.25,11.5 -167.75,11.5 -167.25,11.5 -166.75,11.5 -166.25,11.5 -165.75,11.5 -165.25,11.5 -164.75,11.5 -164.25,11.5 -163.75,11.5 -163.25,11.5 -162.75,11.5 -162.25,11.5 -161.75,11.5 -161.25,11.5 -160.75,11.5 -160.25,11.5 -159.75,11.5 -159.25,11.5 -158.75,11.5 -158.25,11.5 -155.25,11.5 -154.75,11.5 -149.75,11.5 -149.25,11.5 -148.75,11.5 -148.25,11.5 -147.75,11.5 -147.25,11.5 -189,12 -188.5,12 -188,12 -187.5,12 -187,12 -186.5,12 -186,12 -185.5,12 -185,12 -184.5,12 -184,12 -183.5,12 -183,12 -182.5,12 -182,12 -181.5,12 -181,12 -179.5,12 -179,12 -178.5,12 -178,12 -177.5,12 -177,12 -176.5,12 -176,12 -175.5,12 -175,12 -174.5,12 -174,12 -173.5,12 -173,12 -172.5,12 -172,12 -171.5,12 -171,12 -170.5,12 -170,12 -169.5,12 -169,12 -168.5,12 -168,12 -167.5,12 -167,12 -166.5,12 -166,12 -165.5,12 -165,12 -164.5,12 -164,12 -163.5,12 -163,12 -162.5,12 -162,12 -161.5,12 -161,12 -160.5,12 -160,12 -159.5,12 -159,12 -158.5,12 -155.5,12 -155,12 -150.5,12 -150,12 -149.5,12 -149,12 -148.5,12 -148,12 -147.5,12 -147,12 -188.75,12.5 -188.25,12.5 -187.75,12.5 -187.25,12.5 -186.75,12.5 -186.25,12.5 -185.75,12.5 -185.25,12.5 -184.75,12.5 -184.25,12.5 -183.75,12.5 -183.25,12.5 -182.75,12.5 -182.25,12.5 -181.75,12.5 -181.25,12.5 -180.75,12.5 -179.25,12.5 -178.75,12.5 -178.25,12.5 -177.75,12.5 -177.25,12.5 -176.75,12.5 -176.25,12.5 -175.75,12.5 -175.25,12.5 -174.75,12.5 -174.25,12.5 -173.75,12.5 -173.25,12.5 -172.75,12.5 -172.25,12.5 -171.75,12.5 -171.25,12.5 -170.75,12.5 -170.25,12.5 -169.75,12.5 -169.25,12.5 -168.75,12.5 -168.25,12.5 -167.75,12.5 -167.25,12.5 -166.75,12.5 -166.25,12.5 -165.75,12.5 -165.25,12.5 -164.75,12.5 -164.25,12.5 -163.75,12.5 -163.25,12.5 -162.75,12.5 -162.25,12.5 -161.75,12.5 -161.25,12.5 -160.75,12.5 -160.25,12.5 -159.75,12.5 -159.25,12.5 -158.75,12.5 -158.25,12.5 -155.25,12.5 -150.75,12.5 -150.25,12.5 -149.75,12.5 -149.25,12.5 -148.75,12.5 -148.25,12.5 -147.75,12.5 -147.25,12.5 -189,13 -188.5,13 -188,13 -187.5,13 -187,13 -186.5,13 -186,13 -185.5,13 -185,13 -184.5,13 -184,13 -183.5,13 -183,13 -182.5,13 -182,13 -181.5,13 -181,13 -179.5,13 -179,13 -178.5,13 -178,13 -177.5,13 -177,13 -176.5,13 -176,13 -175.5,13 -175,13 -174.5,13 -174,13 -173.5,13 -173,13 -172.5,13 -172,13 -171.5,13 -171,13 -170.5,13 -170,13 -169.5,13 -169,13 -168.5,13 -168,13 -167.5,13 -167,13 -166.5,13 -166,13 -165.5,13 -165,13 -164.5,13 -164,13 -163.5,13 -163,13 -162.5,13 -162,13 -161.5,13 -161,13 -160.5,13 -160,13 -159.5,13 -159,13 -158.5,13 -155.5,13 -155,13 -154.5,13 -154,13 -153.5,13 -153,13 -152.5,13 -152,13 -151.5,13 -151,13 -150.5,13 -150,13 -149.5,13 -149,13 -148.5,13 -148,13 -147.5,13 -147,13 -188.75,13.5 -188.25,13.5 -187.75,13.5 -187.25,13.5 -186.75,13.5 -186.25,13.5 -185.75,13.5 -185.25,13.5 -184.75,13.5 -184.25,13.5 -183.75,13.5 -183.25,13.5 -182.75,13.5 -182.25,13.5 -181.75,13.5 -181.25,13.5 -180.75,13.5 -179.25,13.5 -178.75,13.5 -178.25,13.5 -177.75,13.5 -177.25,13.5 -176.75,13.5 -176.25,13.5 -175.75,13.5 -175.25,13.5 -174.75,13.5 -174.25,13.5 -173.75,13.5 -173.25,13.5 -172.75,13.5 -172.25,13.5 -171.75,13.5 -171.25,13.5 -170.75,13.5 -170.25,13.5 -169.75,13.5 -169.25,13.5 -168.75,13.5 -168.25,13.5 -167.75,13.5 -167.25,13.5 -166.75,13.5 -166.25,13.5 -165.75,13.5 -165.25,13.5 -164.75,13.5 -164.25,13.5 -163.75,13.5 -163.25,13.5 -162.75,13.5 -162.25,13.5 -161.75,13.5 -161.25,13.5 -160.75,13.5 -160.25,13.5 -159.75,13.5 -159.25,13.5 -158.75,13.5 -158.25,13.5 -155.25,13.5 -154.75,13.5 -154.25,13.5 -153.75,13.5 -153.25,13.5 -152.75,13.5 -152.25,13.5 -151.75,13.5 -151.25,13.5 -150.75,13.5 -150.25,13.5 -149.75,13.5 -149.25,13.5 -148.75,13.5 -148.25,13.5 -147.75,13.5 -147.25,13.5 -189,14 -188.5,14 -188,14 -187.5,14 -187,14 -186.5,14 -186,14 -185.5,14 -185,14 -184.5,14 -184,14 -183.5,14 -183,14 -182.5,14 -182,14 -181.5,14 -181,14 -179.5,14 -179,14 -178.5,14 -178,14 -177.5,14 -177,14 -176.5,14 -176,14 -175.5,14 -175,14 -174.5,14 -174,14 -173.5,14 -173,14 -172.5,14 -172,14 -165,14 -164.5,14 -164,14 -163.5,14 -163,14 -162.5,14 -162,14 -161.5,14 -161,14 -160.5,14 -160,14 -159.5,14 -159,14 -158.5,14 -158,14 -157.5,14 -156,14 -155.5,14 -155,14 -154.5,14 -154,14 -153.5,14 -153,14 -152.5,14 -152,14 -151.5,14 -151,14 -150.5,14 -150,14 -149.5,14 -149,14 -148.5,14 -148,14 -147.5,14 -147,14 -188.75,14.5 -188.25,14.5 -187.75,14.5 -187.25,14.5 -186.75,14.5 -186.25,14.5 -185.75,14.5 -185.25,14.5 -184.75,14.5 -184.25,14.5 -183.75,14.5 -183.25,14.5 -182.75,14.5 -182.25,14.5 -181.75,14.5 -181.25,14.5 -180.75,14.5 -179.25,14.5 -178.75,14.5 -178.25,14.5 -177.75,14.5 -177.25,14.5 -176.75,14.5 -176.25,14.5 -175.75,14.5 -175.25,14.5 -174.75,14.5 -174.25,14.5 -173.75,14.5 -173.25,14.5 -172.75,14.5 -172.25,14.5 -164.25,14.5 -163.75,14.5 -163.25,14.5 -162.75,14.5 -162.25,14.5 -161.75,14.5 -161.25,14.5 -160.75,14.5 -160.25,14.5 -159.75,14.5 -159.25,14.5 -158.75,14.5 -158.25,14.5 -157.75,14.5 -156.25,14.5 -155.75,14.5 -155.25,14.5 -154.75,14.5 -154.25,14.5 -153.75,14.5 -153.25,14.5 -152.75,14.5 -152.25,14.5 -151.75,14.5 -151.25,14.5 -150.75,14.5 -150.25,14.5 -149.75,14.5 -149.25,14.5 -148.75,14.5 -148.25,14.5 -147.75,14.5 -147.25,14.5